# Allegro board BeagleBone AI -64_PCB_V1.02_211119.brd (continued)
## Routing (per net, layer and track width the routed paths; a pad name or vN(x,y) marks a point on that pad's centre or on a via; arc(x,y) is an arc through that point) (continued)
AB25_MCASP0_AFSX: length 9.5
  TOP w0.229: U19.AB25 -14.29,54.79 v1(-14.69,55.19)
  BOTTOM w0.114: v1(-14.69,55.19) -15.08,55.57 -18.25,55.57 -18.59,55.91
  BOTTOM w0.165: R128.1 -20.03,58.17 -18.79,56.92 -18.79,56.11 -18.59,55.91
AB26_MCASP0_ACLKX: length 6.3
  TOP w0.229: U19.AB26 v1(-15.49,55.19)
  L3-SIGNAL w0.102: v1(-15.49,55.19) -15.93,55.63 -17.24,55.63 -17.5,55.88 -18.1,55.88 -18.71,55.27 -20.16,55.27 v1(-20.54,54.89)
AB27_SYS_BOOTMODE6: length 48
  TOP w0.165: R218.1 -23.86,57.32 -23.61,57.07 v1(-22.73,57.07) -22.73,57.56 R231.2
  TOP w0.229: U19.AB27 -15.89,54.79 v1(-16.29,55.19)
  L5-SIGNAL w0.102: v1(-37.43,56.82) -36.65,57.61 -32.71,57.61 -31.83,56.73 -28.56,56.73 -28.4,56.57 -26.6,56.57 -26.54,56.52 -25.17,56.52 -24.5,57.18 -24,57.18 -23.69,56.87 -23.33,56.87 -23.13,57.07 v1(-22.73,57.07)
  L10-SIGNAL w0.102: v1(-31.92,74.55) -33.24,73.23 -33.24,65.64 -37.1,61.77 -37.1,57.15 v1(-37.43,56.82)
  L12-SIGNAL w0.102: v1(-16.29,55.19) -16.68,55.58 -20.28,55.58 -20.31,55.55 -22.47,55.55 -22.73,55.81 v1(-22.73,57.07)
  BOTTOM w0.165: Q1.3 -37.25,56.63 v1(-37.43,56.82)
AB28_PRG0_PWM0_TZ_OUT: length 72.9
  TOP w0.229: v1(-17.09,55.19) -16.69,54.79 U19.AB28
  L3-SIGNAL w0.102: v1(-25.34,54.94) -24.48,54.08 -22.5,54.08 -22.07,54.51 -20.09,54.51 -19.88,54.31 -19.32,54.31 -18.03,55.6 -17.51,55.6 v1(-17.09,55.19) ; 1.09,74.78 v1(1.09,74.78) 0.69,74.78 0.46,75.01 -9.33,75.01 -11.21,73.13 -19.63,73.13 -20.14,72.62 -20.14,66.16 -22.26,64.03 -24.17,64.03 -25.55,62.66 -27.63,62.66 -28.52,61.77 -29.36,61.77 -29.71,61.42 -31.01,61.42 -32.73,59.69 -34.49,59.69 -35.72,58.46 -35.72,55.53 v1(-36.01,55.25)
  L5-SIGNAL w0.102: v1(-25.34,54.94) -26.13,54.94 -26.69,55.5 -27.3,55.5 -27.5,55.3 -32.4,55.3 -33.27,54.43 -35.2,54.43 v1(-36.01,55.25)
  BOTTOM w0.165: P8.16 v1(1.09,74.78)
AB29_PRG0_ECAP0_IN_APWM_OUT: length 50.2
  TOP w0.229: v1(-17.89,55.19) -17.49,54.79 U19.AB29
  L12-SIGNAL w0.102: v1(-17.89,55.19) -19.3,55.19 -19.39,55.27 -23.37,55.27 -23.49,55.4 -25.16,55.4 -25.17,55.39 -25.47,55.39 -25.48,55.4 -26.31,55.4 v1(-26.71,54.99)
  BOTTOM w0.165: P8.15 1.09,70.15 0.79,70.45 -7.72,70.45 -8.14,70.03 -17.32,70.03 -18.15,69.19 -18.15,67.92 -18.63,67.44 -19.2,67.44 -20.44,66.2 -20.44,64.63 -22.03,63.04 -22.79,63.04 -25.4,60.43 -25.75,60.43 -26.49,59.69 -26.49,59.26 -27.34,58.41 -27.34,55.61 v1(-26.71,54.99)
AC2_AJ21: length 133.7
  L5-SIGNAL w0.102: v1(22.18,25.66) 26.85,30.33 28,30.33 30.08,32.41 30.08,36.07 30.51,36.5 30.51,46.2 30.74,46.43 30.74,53.73 29.93,54.54 20.43,54.54 20.13,54.24 19.01,54.24 v1(18.73,53.95)
  L10-SIGNAL w0.102: v1(22.38,12.47) 22.38,12.9 22.69,13.21 22.69,13.59 20.94,15.34 20.94,19.08 22.66,20.8 22.66,25.17 v1(22.18,25.66)
  L12-SIGNAL w0.102: v1(-30.88,17.53) -30.49,17.53 -28.58,19.43 -23.79,19.43 -23.58,19.23 -12.79,19.23 -11.98,18.42 -11.98,17.51 -10.87,16.41 -8.36,16.41 -7.48,17.29 -6.1,17.29 -5.91,17.09 -2.45,17.09 -1.82,16.46 -1.82,13.9 -0.22,12.3 4.71,12.3 5.92,11.08 6.89,11.08 7.17,11.36 10.88,11.36 11.33,10.9 20.73,10.9 22.03,12.19 22.11,12.19 v1(22.38,12.47)
  BOTTOM w0.165: P9.42 -31.93,22.28 -31.06,21.41 -31.06,18.13 -30.88,17.95 v1(-30.88,17.53) ; v1(18.73,53.95) 18.73,54.26 R46.2 18.7,54.55 18.35,54.9 18.35,55.7 17.66,56.39 R53.2
AC2_EQEP0_A: length 14
  TOP w0.229: U19.AC2 4.51,55.98 v1(4.51,55.99)
  L5-SIGNAL w0.102: v1(16.05,56.34) 15.45,55.74 15.45,55.15 15.19,54.88 7.68,54.88 6.99,55.58 4.92,55.58 v1(4.51,55.99)
  BOTTOM w0.165: R53.1 16.21,56.39 16.16,56.34 v1(16.05,56.34)
AC4_EQEP0_S: length 7.9
  TOP w0.229: U19.AC4 2.91,55.98 v1(2.91,55.99)
  L10-SIGNAL w0.102: v1(7.04,60.81) 6.85,60.81 6.18,60.13 6.18,59.36 5.6,58.78 5.15,58.78 4.92,58.55 4.92,58.25 4.9,58.24 4.9,58.22 4.67,57.99 4.29,57.99 4.1,57.81 4.1,57.42 3.87,57.19 3.56,57.19 3.3,56.94 3.3,56.59 2.91,56.2 v1(2.91,55.99)
AC4_W26: length 196.4
  TOP w0.165: R302.2 v1(7.98,60.8)
  L3-SIGNAL w0.102: v1(32.95,11.28) 32.95,8.54 32.75,8.34 v1(32.75,7.93)
  L5-SIGNAL w0.102: v1(-17.88,16.77) -18.59,17.48 -20.69,17.48 -20.82,17.35 -28.47,17.35 v1(-28.92,16.89) ; v1(7.98,60.8) 7.91,60.73 7.68,60.73 7.58,60.63 7.58,59.82 7.94,59.45 9.79,59.45 10.13,59.11 13.32,59.11 13.87,59.67 17.1,59.67 17.71,60.28 18.98,60.28 19.67,59.59 22.19,59.59 22.94,60.35 22.94,61.16 v1(23.55,61.77)
  L10-SIGNAL w0.102: v1(-28.92,16.89) -28.92,18.75 -29.28,19.1 -29.28,20.52 -29.76,21.01 -30.48,21.01 -31.34,21.87 -31.34,36.68 -31.21,36.8 -31.21,40.34 -31.62,40.74 -31.62,47.58 -32.35,48.31 -32.35,49.81 -32,50.17 -30.5,50.17 -30.35,50.32 -30.35,51.16 v1(-30.73,51.54) ; v1(34.17,28.93) 33.89,28.65 33.89,15.94 33,15.05 33,12.75 33.28,12.47 33.28,11.61 v1(32.95,11.28)
  L12-SIGNAL w0.102: v1(32.75,7.93) 32.35,8.33 29.52,8.33 27.9,9.96 17.28,9.96 16.01,8.69 14.84,8.69 14.08,9.45 3.18,9.45 1.35,11.28 -1.09,11.28 -4.02,14.21 -4.44,14.21 -5.58,15.36 -11.18,15.36 -12.54,16.71 -14.07,16.71 -14.78,17.43 -17.21,17.43 v1(-17.88,16.77) ; v1(34.17,28.93) 33.76,29.34 33.76,41.91 34.68,42.83 34.68,48.53 33,50.21 33,54.69 30.28,57.41 28.87,57.41 26.48,59.79 26.45,59.79 25.86,60.38 25.86,61.13 25.4,61.59 25.09,61.59 24.81,61.3 24.01,61.3 v1(23.55,61.77)
  BOTTOM w0.165: R150.2 -30.6,51.77 -30.73,51.64 v1(-30.73,51.54) ; P9.25 -12.54,20.47 -12.85,20.17 -12.85,20.04 -13.76,19.13 -14.09,19.13 -15.49,17.73 -16.64,17.73 -17.61,16.77 v1(-17.88,16.77)
AC21_AA3: length 140.1
  TOP w0.165: -25.29,55.78 -25.29,55.75 R221.2
  L5-SIGNAL w0.102: v1(13.52,55.4) 13.23,55.11 10.38,55.11 v1(9.94,55.55) ; v1(18.04,19.23) 17.38,18.57 10.14,18.57 9.06,19.65 8.2,19.65 7.09,18.54 -0.98,18.54 v1(-2.03,19.58) -3.14,18.47 -11.27,18.47 -12.54,17.2 -14.87,17.2 -16.11,15.95 -22.63,15.95 -23.13,16.46 -24.63,16.46 -24.99,16.11 v1(-28.92,16.11)
  L8-PWR/GND w0.127: v1(-25.32,55.76) -24.94,55.38 -24.94,53.69 -26.36,52.28 -26.36,47.96 -28.45,45.86 -28.45,44.6 -28.8,44.25 -28.8,43 -29.03,42.78 -29.38,42.78 -30.09,42.06 -30.09,40.54 -29.51,39.96 -29.51,28.96 -28.7,28.14 -28.7,23.39 -28.64,23.34 -28.64,21.08 -28.87,20.86 -28.87,17.7 -28.31,17.15 -28.31,16.56 -28.48,16.4 -28.63,16.4 v1(-28.92,16.11)
  L10-SIGNAL w0.102: v1(18.93,31.24) 18.93,30.65 18.92,30.64 18.92,25.2 18.29,24.58 18.29,19.48 v1(18.04,19.23)
  BOTTOM w0.165: v1(13.52,55.4) 13.52,54.05 11.84,52.38 11.84,40.52 16.97,35.39 16.97,32.51 17.35,32.13 18.47,32.13 18.93,31.67 v1(18.93,31.24) ; P9.17 -1.82,20.09 -1.82,19.69 -1.92,19.69 v1(-2.03,19.58) ; R78.2 v1(9.94,55.55)
AC21_SPI6_CS0: length 14.4
  TOP w0.165: v1(-24.43,55.83) -24.48,55.83 R221.1
  TOP w0.229: v1(-11.49,55.99) -11.09,55.59 U19.AC21
  L3-SIGNAL w0.102: v1(-24.43,55.83) -24.02,55.83 -23.64,55.45 -20.31,55.45 -20.26,55.5 -18.84,55.5 -17.99,56.35 -11.85,56.35 v1(-11.49,55.99)
  L12-SIGNAL w0.102: v1(-11.49,55.99) -11.55,56.04
AC22_SYS_BOOTMODE1: length 16
  TOP w0.165: R234.1 -22.72,56.33 -23,56.05 -23.02,56.05 -23.29,55.77 R232.2 R233.1 v1(-23.62,55.01)
  TOP w0.229: U19.AC22 -11.89,55.59 v1(-12.29,55.99)
  L12-SIGNAL w0.102: v1(-12.29,55.99) -12.29,55.74 -12.7,55.34 -12.7,54.22 -12.93,53.99 -18.19,53.99 -18.61,54.41 -21.64,54.41 -22.27,55.04 -23.2,55.04 -23.23,55.01 v1(-23.62,55.01)
AC22_U29: length 54.3
  TOP w0.165: R250.2 v1(-21.52,52) ; R234.2 v1(-23.47,56.5)
  L5-SIGNAL w0.102: v1(-6.17,26.72) -8.32,28.88 -13.84,28.88 -14.11,29.16 -14.11,29.16 -14.33,29.38 -14.33,29.38 -14.52,29.57 -19.94,29.57 -20.98,28.53 v1(-23.62,28.53)
  L8-PWR/GND w0.127: v1(-21.52,52) -22.07,51.46 -22.07,50.28 -21.86,50.08 -21.86,49.56 -22.4,49.02 -22.4,48.59 -24.86,46.13 -24.86,44.58 -24.53,44.25 -24.53,42.19 -24.33,41.99 -24.33,41.87 -24.29,41.84 -24.29,41.51 -24.33,41.47 -24.33,37.87 -25.67,36.52 -25.67,30.61 -26.07,30.21 -26.07,28.41 -25.83,28.17 -25.42,28.17 -25.06,28.53 v1(-23.62,28.53)
  L10-SIGNAL w0.102: v1(-23.47,56.5) -22.26,55.28 -22.26,54.78 -21.84,54.36 -21.84,52.32 v1(-21.52,52)
  BOTTOM w0.165: P9.22 -6.53,26.56 -6.36,26.72 v1(-6.17,26.72)
AC23_UART0_RXD: length 101.7
  TOP w0.229: U19.AC23 -12.69,55.59 v1(-13.09,55.99)
  L3-SIGNAL w0.102: v1(-13.09,55.99) -13.53,55.55 -13.53,55.04 -13.74,54.83 -13.97,54.83 -14.33,54.46 -14.33,54.24 -14.62,53.95 -16.44,53.95 -16.73,53.66 -16.73,53.44 -16.96,53.21 -18.33,53.21 -18.76,52.78 -20.9,52.78 -21.09,52.6 -22.3,52.6 -22.41,52.71 -22.45,52.75 -23.2,52.75 -23.28,52.67 -23.58,52.67 -23.59,52.68 -27.3,52.68 -27.83,53.21 -27.84,53.21 -28.06,53.44 -28.06,53.44 -28.29,53.67 -30.02,53.67 -30.5,53.19 -33.55,53.19 -33.62,53.11 v1(-34.03,53.11)
  L5-SIGNAL w0.102: v1(-31.5,18.98) -31.09,18.57 -29.91,18.57 -29.73,18.75 -27.76,18.75 -26.87,19.64 -3.7,19.64 -2.05,21.29 2.01,21.29 4.27,19.03 5.85,19.03 v1(6.08,19.25)
  L10-SIGNAL w0.102: v1(-34.03,53.11) -33.52,52.6 -33.52,43.11 -34.77,41.86 -34.77,40.57 -34.18,39.98 -34.18,37.71 -34.17,37.7 -34.17,37.39 -34.27,37.29 -34.27,32.71 -33.65,32.09 -33.65,26.75 -32.84,25.94 -32.84,21.76 -31.46,20.38 -31.46,19.4 -31.5,19.37 v1(-31.5,18.98)
  BOTTOM w0.165: v1(6.08,19.25) 6.17,19.35 P9.11
AC24_MCAN6_TX: length 37.7
  TOP w0.229: U19.AC24 -13.49,55.59 v1(-13.89,55.99)
  L5-SIGNAL w0.102: v1(-13.89,55.99) -14.29,56.39 -14.29,63.32 -13.74,63.88 -13.74,65.61 -12.77,66.57 -12.11,66.57 -9.65,69.04 -5.1,69.04 -3.6,70.54 4.78,70.54 6.4,72.16 6.4,73.73 7.14,74.47 v1(8.71,74.47)
  BOTTOM w0.165: P8.10 v1(8.71,74.47)
AC25_PRG0_PRU1_GPO3: length 38.9
  TOP w0.229: U19.AC25 -14.29,55.59 v1(-14.69,55.99)
  L5-SIGNAL w0.102: v1(-34.97,59.74) -34.56,59.74 -34.46,59.64 -32.86,59.64 -32.68,59.82 -30.35,59.82 -30.04,60.12 -30.04,60.58 -29.33,61.29 -28.24,61.29 -28.06,61.11 -25.47,61.11 -24.99,60.63 -22.88,60.63 -22.37,60.12 -22.37,59.79 -21.65,59.07 -20.44,59.07 -20.12,58.75 -16.94,58.75 -16.73,58.54 -16.73,58.32 -16.44,58.03 -16.22,58.03 -15.93,57.74 -15.93,57.52 -15.64,57.23 -15.42,57.23 -15.13,56.94 -15.13,56.43 v1(-14.69,55.99)
  BOTTOM w0.165: P8.44 -35.73,71.65 -35.73,60.35 -35.42,60.04 -35.27,60.04 v1(-34.97,59.74)
AC26_PRG0_PRU1_GPO6: length 29.1
  TOP w0.229: v1(-15.49,55.99) -15.09,55.59 U19.AC26
  L5-SIGNAL w0.102: v1(-30.52,59.4) -30.12,59.4 -29.34,60.17 -26.14,60.17 -24.72,58.75 -24.72,58.62 -24.5,58.41 -23.98,58.41 -23.56,58.83 -23.06,58.83 -22.27,58.04 -21.23,58.04 -20.8,57.61 -18.21,57.61 -17.87,57.95 -16.94,57.95 -16.73,57.74 -16.73,57.52 -16.44,57.23 -16.22,57.23 -15.93,56.94 -15.93,56.43 v1(-15.49,55.99)
  BOTTOM w0.165: v1(-30.52,59.4) -30.83,59.7 -30.83,59.76 -31.11,60.05 -31.11,62.75 -31.13,62.77 -31.13,65.66 -29.39,67.41 P8.39
AC27_PRG0_PWM2_A1: length 40
  TOP w0.229: v1(-16.29,55.99) -15.89,55.59 U19.AC27
  L5-SIGNAL w0.102: v1(-16.29,55.99) -16.73,56.43 -16.73,56.94 -16.94,57.15 -20.19,57.15 -20.41,57.37 -20.72,57.37 -21.11,56.97 -22.11,56.97 -22.57,57.44 -23.09,57.44 -23.36,57.17 -23.67,57.17 -23.99,57.49 -24.87,57.49 -25.11,57.74 -26.28,57.74 -26.29,57.73 -26.4,57.73 v1(-26.69,58.02)
  L10-SIGNAL w0.102: v1(-26.69,58.02) -26.69,58.54 -26.77,58.61 -26.77,63.37 -27.02,63.63 -27.02,66.07 -25.96,67.13 -19.55,67.13 -19.04,67.64 -18.82,67.64 -14.8,71.66 -14.8,71.9 -12.1,74.6 v1(-11.6,74.6)
  BOTTOM w0.165: v1(-11.6,74.6) -11.59,74.6 -11.59,74.59 P8.26
AC28_GPIO0_50: length 5.6
  TOP w0.229: v1(-17.09,55.99) -16.69,55.59 U19.AC28
  L12-SIGNAL w0.102: v1(-19.56,56.05) -19.13,56.05 -19.06,55.99 v1(-17.09,55.99)
  BOTTOM w0.165: v1(-19.56,56.05) -19.86,56.35 -19.86,56.39 -20.01,56.54 -20.48,56.54 -20.51,56.57 R129.1
AC29_SYS_BOOTMODE2: length 54.6
  TOP w0.165: v1(-20.47,55.92) -20.7,56.15 R258.2 ; v1(-20.47,55.92) -20.7,55.68 R259.1 ; v1(-20.47,55.92) -20.04,55.92 -19.75,55.63 -17.53,55.63 U19.AC29
  L10-SIGNAL w0.102: v1(-20.47,55.92) -21,56.45 -21,60.12 -21.5,60.63 -21.5,64.3 -20.14,65.66 -19.53,65.66 -18.21,66.98 -18.21,67.57 -17.09,68.68 -12.93,68.68 -11.35,70.26 -3.5,70.26 -1.67,72.09 14.41,72.09 14.48,72.01 15.43,72.01 P8.4
AD5_EQEP0_I: length 155.1
  TOP w0.229: v1(2.11,56.79) 2.11,56.78 U19.AD5
  L5-SIGNAL w0.102: v1(32.85,12.07) 31.76,10.97 31.27,10.97 30.74,10.44 21.6,10.44 v1(21.24,10.8) ; v1(23.93,60.15) 23.64,59.86 23.64,59.78 23.45,59.59 22.51,59.59 22.03,59.11 19.77,59.11 18.83,60.05 17.8,60.05 17.2,59.44 13.98,59.44 13.39,58.85 9.95,58.85 9.58,59.22 7.46,59.22 6.81,58.57 5.21,58.57 3.78,57.15 2.47,57.15 v1(2.11,56.79)
  L10-SIGNAL w0.102: v1(33.53,28.93) 33.53,28.54 33.61,28.46 33.61,16.05 32.57,15.01 32.57,12.35 v1(32.85,12.07)
  L12-SIGNAL w0.102: v1(23.93,60.15) 24.52,59.56 26.39,59.56 28.78,57.18 30.19,57.18 32.77,54.59 32.77,50.12 34.45,48.44 34.45,43.11 33.53,42.19 v1(33.53,28.93) ; v1(-31.77,16.87) -31.49,17.15 -30.17,17.15 -29.66,17.65 -20.06,17.65 -18.71,19 -13.79,19 -10.89,16.11 -5.33,16.11 -5.02,16.41 -3.65,16.41 -2.05,14.81 -2.05,13.77 -0.32,12.04 1.56,12.04 2.76,10.85 6.99,10.85 7.27,11.13 9.94,11.13 10.4,10.67 21.11,10.67 v1(21.24,10.8)
  BOTTOM w0.165: P9.41 -31.93,18.54 -31.41,18.03 -31.41,17.22 v1(-31.77,16.87)
AD20_SYS_BOOTMODE0: length 38.5
  TOP w0.229: v1(-10.69,56.79) -10.29,56.39 U19.AD20
  L3-SIGNAL w0.102: v1(-9.09,74.63) -10.81,72.9 -19.3,72.9 -19.86,72.34 -19.86,66.12 -21.89,64.09 -21.89,62.44 -21.87,62.42 v1(-21.87,62.02)
  BOTTOM w0.114: -18.41,59.46 -18.41,59.15 -18.05,58.8 -16.91,58.8 -16.71,58.6 -16.71,58.25 -16.44,57.99 -15.35,57.99 -15.11,57.75 -15.11,57.41 -14.88,57.18 -11.08,57.18 v1(-10.69,56.79)
  BOTTOM w0.165: -18.41,59.46 -19.65,60.71 -19.65,61.44 -20.12,61.91 R123.1 -20.58,62.19 -20.72,62.33 -21.51,62.33 -21.84,62 ; R133.2 -21.87,62 -21.84,62 ; P8.24 -9.07,74.61 v1(-9.09,74.63) ; -21.84,62 -21.84,62.02 v1(-21.87,62.02)
AD21_PRG1_PRU0_GPO10: length 16.3
  TOP w0.165: v1(-24.25,57.86) -24.35,57.86 R224.1
  TOP w0.229: U19.AD21 -11.09,56.39 v1(-11.49,56.79)
  L3-SIGNAL w0.102: v1(-24.25,57.86) -23.84,57.86 -23.74,57.96 -23.34,57.96 -22.9,57.53 -22.65,57.53 -22.12,57 -21.63,57 -20.92,57.71 -19.3,57.71 -18.21,58.8 -12.85,58.8 -12.65,58.61 -12.65,58.24 -12.44,58.03 -12.07,58.03 -11.88,57.84 -11.88,57.17 v1(-11.49,56.79)
AD22_UART2_TXD: length 33.4
  TOP w0.229: U19.AD22 -11.89,56.39 v1(-12.29,56.79)
  L5-SIGNAL w0.102: v1(-24.94,65.05) -24.43,65.56 -24.43,73.38 -23.11,74.7 v1(-21.81,74.7)
  L12-SIGNAL w0.102: v1(-24.94,65.05) -23.82,66.17 -17.06,66.17 -16.83,65.94 -15.16,65.94 -14.7,65.48 -14.7,65.44 -14.69,65.43 -14.69,65.13 -14.7,65.11 -14.7,63.65 -13.67,62.63 -13.67,62.04 -11.91,60.28 -11.91,57.17 v1(-12.29,56.79)
  BOTTOM w0.165: v1(-21.81,74.7) -21.77,74.66 P8.34
AD23_EQEP1_A: length 13
  TOP w0.165: v1(-24.33,56.75) -24.38,56.69 -24.45,56.69 R220.1
  TOP w0.229: U19.AD23 -12.69,56.39 v1(-13.09,56.79)
  L3-SIGNAL w0.102: v1(-13.09,56.79) -13.48,57.18 -19.68,57.18 -20.42,56.44 -22.85,56.44 -23.16,56.13 -23.88,56.13 -24.04,56.29 -24.04,56.46 v1(-24.33,56.75)
AD23_Y3: length 79.4
  TOP w0.165: v1(-28.64,55.73) -28.34,56.03 -28.33,56.03 -27.98,56.39 -25.67,56.39 -25.46,56.59 R220.2
  L3-SIGNAL w0.102: v1(-23.59,71.88) -23.16,71.88 -19.81,75.24 4.43,75.24 5.9,73.76 v1(7.3,73.76)
  L5-SIGNAL w0.102: v1(7.3,73.76) 7.3,72.52 7.65,72.16 10.62,72.16 12.1,70.69 12.1,66.73 11.61,66.24 11.61,64.49 11.03,63.91 v1(11.03,62.09)
  L8-PWR/GND w0.127: v1(7.3,73.76) 7.22,73.69
  BOTTOM w0.165: v1(-28.64,55.73) -29.07,55.73 -29.12,55.78 -29.13,55.78 -29.53,56.19 -29.53,56.79 -29.72,56.98 -29.72,62.08 -29.33,62.47 -29.33,63.48 -28.83,63.98 -28.22,63.98 -28.07,63.83 -27.43,63.83 -27.17,64.08 -27.17,66.24 -26.05,67.36 -24.53,67.36 -24.31,67.58 P8.35 -24.31,71.17 v1(-23.59,71.88) ; v1(11.03,62.09) 11.03,61.65 10.95,61.57 10.95,59.46 11.36,59.06 13.11,59.06 13.13,59.04 R67.2
AD24_MCAN5_RX: length 59.5
  TOP w0.229: U19.AD24 -13.49,56.39 v1(-13.89,56.79)
  L12-SIGNAL w0.102: v1(-22.7,64.7) -22.31,64.7 -22.21,64.8 -19.72,64.8 -19.63,64.71 -19.32,64.71 -19.23,64.8 -16.81,64.8 -16.21,64.2 -15.65,64.2 -13.9,62.45 -13.9,61.89 -12.65,60.64 -12.65,57.48 -12.93,57.2 -13.48,57.2 v1(-13.89,56.79)
  BOTTOM w0.165: v1(-22.7,64.7) -22.7,65.9 -20.92,67.68 -20.92,71.17 -19.86,72.24 -11.43,72.24 -11.4,72.21 -7.26,72.21 -6.82,71.77 1.82,71.77 2.54,71.05 10.22,71.05 11.25,70.01 P8.7
AD25_PRG0_PRU0_GPO4: length 93.4
  TOP w0.229: U19.AD25 -14.29,56.39 v1(-14.69,56.79)
  L5-SIGNAL w0.102: v1(-29.56,16.79) -29.27,16.5 -28.79,16.5 -28.73,16.56 -24.94,16.56 -24.43,17.07 -20.62,17.07 -20.44,17.25 -18.97,17.25 -18.1,16.38 -17.6,16.38 -17.29,16.69 -17.29,17.4 -15.94,18.75 -3.52,18.75 -1.95,20.32 1.16,20.32 v1(1.96,19.52)
  L8-PWR/GND w0.127: v1(-25.83,56.95) -26.32,56.45 -26.32,55.77 -26.71,55.39 -26.88,55.39 -27.43,54.84 -27.43,53.9 -27.29,53.76 -27.29,49.66 -27.45,49.5 -27.45,49.02 -27.36,48.93 -27.36,48.61 -28.15,47.82 -28.52,47.82 -29.31,47.03 -29.31,44.98 -29.67,44.62 -29.67,44.29 -29.38,43.99 -29.38,43.64 -30.4,42.63 -30.4,40.44 -29.76,39.8 -29.76,28.81 -28.95,27.99 -28.95,24.13 -29.72,23.36 -29.72,21.53 -29.15,20.96 -29.15,18.9 -29.86,18.2 -29.86,17.09 v1(-29.56,16.79)
  L12-SIGNAL w0.102: v1(-25.83,56.95) -25.19,56.95 -24.99,57.14 -23.96,57.14 -23.95,57.13 -23.23,57.13 -22.88,57.48 -22.52,57.48 -22.27,57.23 -22.27,57.08 -21.6,56.4 -20.32,56.4 -20.3,56.42 -19.41,56.42 -19.4,56.41 -15.06,56.41 v1(-14.69,56.79)
  BOTTOM w0.165: v1(1.96,19.52) 1.96,20.31 1.8,20.47 P9.15
AD26_AB1: length 197.4
  L3-SIGNAL w0.102: v1(33.36,7.37) 33.36,9.25 35.21,11.1 35.21,13.44 v1(37.5,15.72)
  L5-SIGNAL w0.102: v1(37.5,15.72) 38.69,15.72 39.25,16.28 39.61,16.28 40.82,17.5 40.82,18.75 39.33,20.25 37.95,20.25 36.23,21.97 36.23,28.07 32.59,31.7 32.59,48.72 31.15,50.17 31.15,54.87 30.71,55.31 29.1,55.31 28.58,54.79 20.36,54.79 20.04,54.47 18.77,54.47 18.19,55.04 17.56,55.04 17.3,55.3 v1(17.3,55.7)
  L8-PWR/GND w0.127: v1(-23.01,59.41) -23.01,58.76 -22.32,58.08 -22.32,56.41 -23.02,55.72 -23.02,52.91 -23.32,52.61 -23.32,51.98 -24.09,51.22 -24.09,48.4 -26.41,46.08 -26.41,44.73 -25.97,44.29 -25.97,43.16 -26.22,42.91 -26.22,41.44 -26.99,40.68 -26.99,40.59 -27.22,40.36 -27.81,40.36 -28.44,39.73 -28.44,32.28 -27.17,31.01 -27.17,25.6 -27.1,25.53 -27.1,23.73 -27.73,23.09 -27.73,21.95 -25.17,19.38 v1(-25.17,16.97)
  L12-SIGNAL w0.102: v1(-25.17,16.97) -23.03,16.97 -22.96,17.04 -19.91,17.04 -19.7,17.25 -17.72,17.25 -17.21,17.76 -14.7,17.76 -13.89,16.94 -12.45,16.94 -11.1,15.6 -5.48,15.6 -4.4,14.52 -3.99,14.52 -1.05,11.58 1.37,11.58 3.28,9.68 15.14,9.68 15.37,9.45 16.39,9.45 17.13,10.19 28,10.19 29.62,8.56 33.1,8.56 33.36,8.31 v1(33.36,7.37)
  BOTTOM w0.165: R130.2 -22.83,59.21 -22.93,59.31 -22.93,59.34 v1(-23.01,59.41) ; R48.2 v1(17.3,55.7) ; P9.27 -14.15,20.03 -14.45,19.72 -14.45,19.32 -15.72,18.06 -16.78,18.06 -17.57,17.27 -24.86,17.27 v1(-25.17,16.97)
AD26_MCASP0_AFSR: length 8.1
  TOP w0.229: v1(-15.49,56.79) -15.09,56.39 U19.AD26
  BOTTOM w0.114: v1(-15.49,56.79) -15.88,57.17 -17.9,57.17 -17.95,57.23
  BOTTOM w0.165: R130.1 -21.84,59.14 -21.28,59.14 -21.21,59.21 -20.31,59.21 -18.33,57.23 -17.95,57.23
AD27_PRG0_PRU1_GPO2: length 32.7
  TOP w0.229: v1(-16.29,56.79) -15.89,56.39 U19.AD27
  L12-SIGNAL w0.102: v1(-16.29,56.79) -16.73,57.23 -17.25,57.23 -17.65,57.63 -20.82,57.63 -21.25,58.07 -22.5,58.07 -22.73,58.29 -22.73,58.6 -22.93,58.8 -23.54,58.8 -24,58.35 -24.5,58.35 -24.71,58.55 -24.72,58.55 -24.72,60.03 -25.03,60.34 -26.28,60.34 -26.64,59.98 -26.64,59.32 -26.98,58.98 -27.81,58.98 -28.04,59.21 -29.79,59.21 -30.04,58.95 -30.04,58.86 -30.2,58.71 -30.2,58.7 v1(-30.47,58.43)
  BOTTOM w0.165: v1(-30.47,58.43) -30.77,58.73 -30.83,58.73 -31.44,59.34 -31.44,62.61 -34.47,65.64 P8.43
AD28_UART4_RTSN: length 4.5
  TOP w0.165: v1(-20.57,57) -20.64,56.92 R253.1
  TOP w0.229: v1(-17.09,56.79) -16.69,56.39 U19.AD28
  L12-SIGNAL w0.102: v1(-17.09,56.79) -17.58,57.28 -20.29,57.28 v1(-20.57,57)
AD29_PRG0_PRU1_GPO4: length 33.8
  TOP w0.229: U19.AD29 -17.49,56.39 v1(-17.89,56.79)
  L10-SIGNAL w0.102: v1(-33.6,58.19) -33.88,57.91 -34.18,57.91 -34.56,58.29 -34.56,60.28 -34.18,60.66 -33.12,60.66 -32.58,61.19 -32.58,67.97 v1(-31.92,68.63)
  L12-SIGNAL w0.102: v1(-17.89,56.79) -20.26,56.79 -20.41,56.63 -20.86,56.63 -21.18,56.95 -21.18,57.48 -21.51,57.81 -23.08,57.81 -23.21,57.93 -23.66,57.93 -23.88,57.71 -24.1,57.49 -24.8,57.49 -25.01,57.71 -25.01,59.13 -25.77,59.89 -26.23,59.89 -26.41,59.72 -26.41,59.22 -26.88,58.75 -28.16,58.75 -29.08,57.84 -33.24,57.84 v1(-33.6,58.19)
AE20_MCAN4_TX: length 31.1
  TOP w0.229: U19.AE20 v1(-10.69,57.59)
  L5-SIGNAL w0.102: v1(-24.94,66.29) -24.94,74.12 v1(-24.33,74.73)
  L12-SIGNAL w0.102: v1(-10.69,57.59) -11.05,57.95 -11.05,61 -11.86,61.8 -13.02,61.8 -13.43,62.21 -13.43,65.81 -13.79,66.17 -16.73,66.17 -16.96,66.4 -24.44,66.4 -24.54,66.29 v1(-24.94,66.29)
AE21_M.2_UART_WAKE#: length 83.8
  TOP w0.229: U19.AE21 v1(-11.49,57.58)
  L5-SIGNAL w0.102: v1(7.75,68.71) 7.37,68.33 -1.14,68.33 -1.47,68.66 -8.25,68.66 -8.68,68.23 -8.68,67.84 -11.13,65.39 -11.13,63.35 -11.11,63.33 -11.11,57.96 v1(-11.49,57.58) ; v1(47.07,64.54) 47.5,64.97 47.5,69.23 47.85,69.57 47.85,72.02 45.19,74.68 44.46,74.68 42.78,73 31.06,73 v1(30.73,72.68)
  L8-PWR/GND w0.127: v1(7.75,68.71) 8.34,68.12 12.22,68.12 12.73,67.62 15.7,67.62 16.49,68.4 26.46,68.4 v1(30.73,72.68)
  BOTTOM w0.165: v1(47.07,64.54) 47.02,64.49 R5.2 46.72,64.83 46.98,65.09 46.98,66.04 J4.20
AE22_PWR_ST: length 152.7
  TOP w0.229: U19.AE22 -11.89,57.19 v1(-12.29,57.59)
  L3-SIGNAL w0.102: v1(-12.29,57.59) -12.72,58.02 -18.51,58.02 -19.04,57.48 -20.82,57.48 -21.6,56.7 -23.15,56.7 -23.65,57.2 -24.69,57.2 -25.18,57.69 -25.49,57.69 -25.58,57.6 -29.17,57.6 -29.99,56.77 -33.27,56.77 -33.31,56.81 -33.34,56.81 v1(-33.62,57.1)
  L5-SIGNAL w0.102: v1(40.37,15.8) 39.63,15.8 39.27,15.44 39.27,14.17 38.97,13.87 36.23,13.87 35.11,12.75 32.34,12.75 31.98,12.4 31.98,11.86 31.59,11.46 31.05,11.46 30.49,10.9 22.94,10.9 21.75,12.09 17.38,12.09 16.19,10.9 12.07,10.9 11.94,11.03 11.65,11.03 11.59,10.96 11.28,10.96 11.22,11.03 4.28,11.03 4.16,10.91 3.86,10.91 3.75,11.03 3.52,11.03 1.97,12.57 -23.01,12.57 -23.46,12.12 -31.29,12.12 v1(-32.02,11.38)
  L10-SIGNAL w0.102: v1(-33.62,57.1) -33.9,56.82 -33.9,56.75 -34.46,56.19 -34.46,48.15 -33.75,47.44 -33.75,43.31 -35.06,42 -35.06,34.25 -35.39,33.92 -35.39,33.5 -33.88,31.99 -33.88,26.62 -33.08,25.82 -33.08,21.67 -31.9,20.49 -31.9,18.75 -31.32,18.18 -31.32,14.52 -30.98,14.17 -30.98,12.42 v1(-32.02,11.38)
  BOTTOM w0.165: R26.2 38.87,15.34 39.33,15.8 v1(40.37,15.8)
AE23_M.2_SDIO_WAKE#: length 57.7
  TOP w0.229: v1(-13.09,57.59) -12.69,57.19 U19.AE23
  L8-PWR/GND w0.127: v1(27.63,57.8) 26.75,58.68 26.75,61.72 24.47,64.01 24.47,65.76 22.64,67.59 17.65,67.59 v1(17.2,67.15)
  L10-SIGNAL w0.102: v1(17.2,67.15) 16.81,67.15 16.8,67.13 16.31,67.13 16.06,67.39 13.21,67.39 11.8,68.8 9.44,68.8 8.26,69.98 0.13,69.98 -3.47,66.37 -3.47,65.43 -4.69,64.21 -7.61,64.21 -8.35,63.47 -8.35,61.7 -8.9,61.15 -10.25,61.15 -11.05,60.34 -11.05,59.92 -11.34,59.63 -11.56,59.63 -11.93,59.26 -11.93,59.04 -12.14,58.83 -12.36,58.83 -12.73,58.46 -12.73,57.95 v1(-13.09,57.59)
  BOTTOM w0.165: U2.10 27.87,57.84 27.83,57.8 v1(27.63,57.8)
AE24_MCAN6_RX: length 64.7
  TOP w0.229: U19.AE24 -13.49,57.19 v1(-13.89,57.59)
  L10-SIGNAL w0.102: v1(-27.41,61.56) -27.41,63.34 -27.98,63.91 -27.98,65.69 -26.18,67.49 -19.58,67.49 v1(-15.28,71.78)
  L12-SIGNAL w0.102: v1(-13.89,57.59) -13.53,57.95 -13.53,60.41 -15.23,62.11 -15.39,62.11 -16.07,62.79 -17.42,62.79 -18,62.21 -19.98,62.21 -20.2,62.42 -22.26,62.42 -22.38,62.31 -24.51,62.31 -24.96,61.85 -27.17,61.85 -27.36,61.66 -27.36,61.65 -27.41,61.6 v1(-27.41,61.56)
  BOTTOM w0.165: P8.9 8.71,69.98 7.98,70.72 2.41,70.72 1.68,71.44 -6.96,71.44 -7.32,71.81 -14.83,71.81 -14.86,71.78 v1(-15.28,71.78)
AE25_UART2_CTSN: length 11.3
  TOP w0.165: v1(-24.35,58.78) -24.36,58.78 R223.1
  TOP w0.229: U19.AE25 -14.29,57.19 v1(-14.69,57.59)
  L12-SIGNAL w0.102: v1(-14.69,57.59) -15.05,57.95 -20.7,57.95 -21.05,58.29 -21.58,58.29 -21.81,58.52 -21.81,58.82 -22.07,59.07 -22.37,59.07 -22.41,59.03 -23.7,59.03 -23.96,58.78 v1(-24.35,58.78)
AE26_DP0_3V3_EN: length 140.6
  TOP w0.165: U22.3 16.4,13.16 16.3,13.27 R315.1 15.63,13.62 v1(15.45,13.79)
  TOP w0.229: U19.AE26 -15.09,57.19 v1(-15.49,57.59)
  L3-SIGNAL w0.102: v1(-35.15,58.09) -35.15,58.7 -34.39,59.46 -32.58,59.46 -30.88,61.16 -29.64,61.16 -29.29,61.52 -28.39,61.52 -27.5,62.41 -23.76,62.41 -22.88,61.53 -22.49,61.53 -22.37,61.65 v1(-16.3,61.65)
  L10-SIGNAL w0.102: v1(16.26,5.61) 16.82,6.17 16.82,6.88 15.93,7.77 15.93,13.31 v1(15.45,13.79) ; v1(-15.49,57.59) -15.93,58.03 -15.93,60.14 -16.22,60.42 -16.44,60.42 -16.73,60.72 -16.73,61.22 v1(-16.3,61.65) ; v1(-32.23,11.96) -32.62,11.96 -32.95,12.3 -32.95,16.21 -33.37,16.62 -33.37,18.92 -34.08,19.64 -34.08,21.02 -33.54,21.57 -33.54,25.37 -33.9,25.73 -34.72,25.73 -36.75,27.76 -36.75,30.25 -37.16,30.66 -37.16,36.79 -37.15,36.79 -37.15,36.82 -37.23,36.9 -37.23,41.3 -35.17,43.36 -35.17,47.88 -35.45,48.16 -35.45,57.39 -35.15,57.7 v1(-35.15,58.09)
  L12-SIGNAL w0.102: v1(16.26,5.61) 15.91,5.97 12.44,5.97 12.43,5.98 8.55,5.98 8.46,5.9 8.46,5.89 8.34,5.77 3.46,5.77 1.58,7.65 1.58,8.08 0.54,9.12 -1.92,9.12 -2.05,9.25 -2.05,9.26 -4.72,11.93 -16.06,11.93 -16.62,12.49 -23.94,12.49 -23.97,12.46 -29.85,12.46 -29.88,12.49 -31.71,12.49 v1(-32.23,11.96)
AE27_MCASP0_ACLKR: length 102.7
  TOP w0.229: v1(-16.29,57.59) -15.89,57.19 U19.AE27
  L3-SIGNAL w0.102: v1(-35.05,56.67) -35.05,57.66 -34.77,57.94 -34.77,58.75 -34.28,59.23 -32.49,59.23 -31.55,60.17 -29.41,60.17 -28.87,60.71 -28.87,60.96 -28.54,61.29 -28.3,61.29 -27.46,62.13 -23.8,62.13 -22.97,61.3 -22.39,61.3 -22.31,61.39 -18.51,61.39 v1(-17.95,60.83)